# Allegro board T736_DEMO_DBOARD_V0-5-draft.brd (continued)
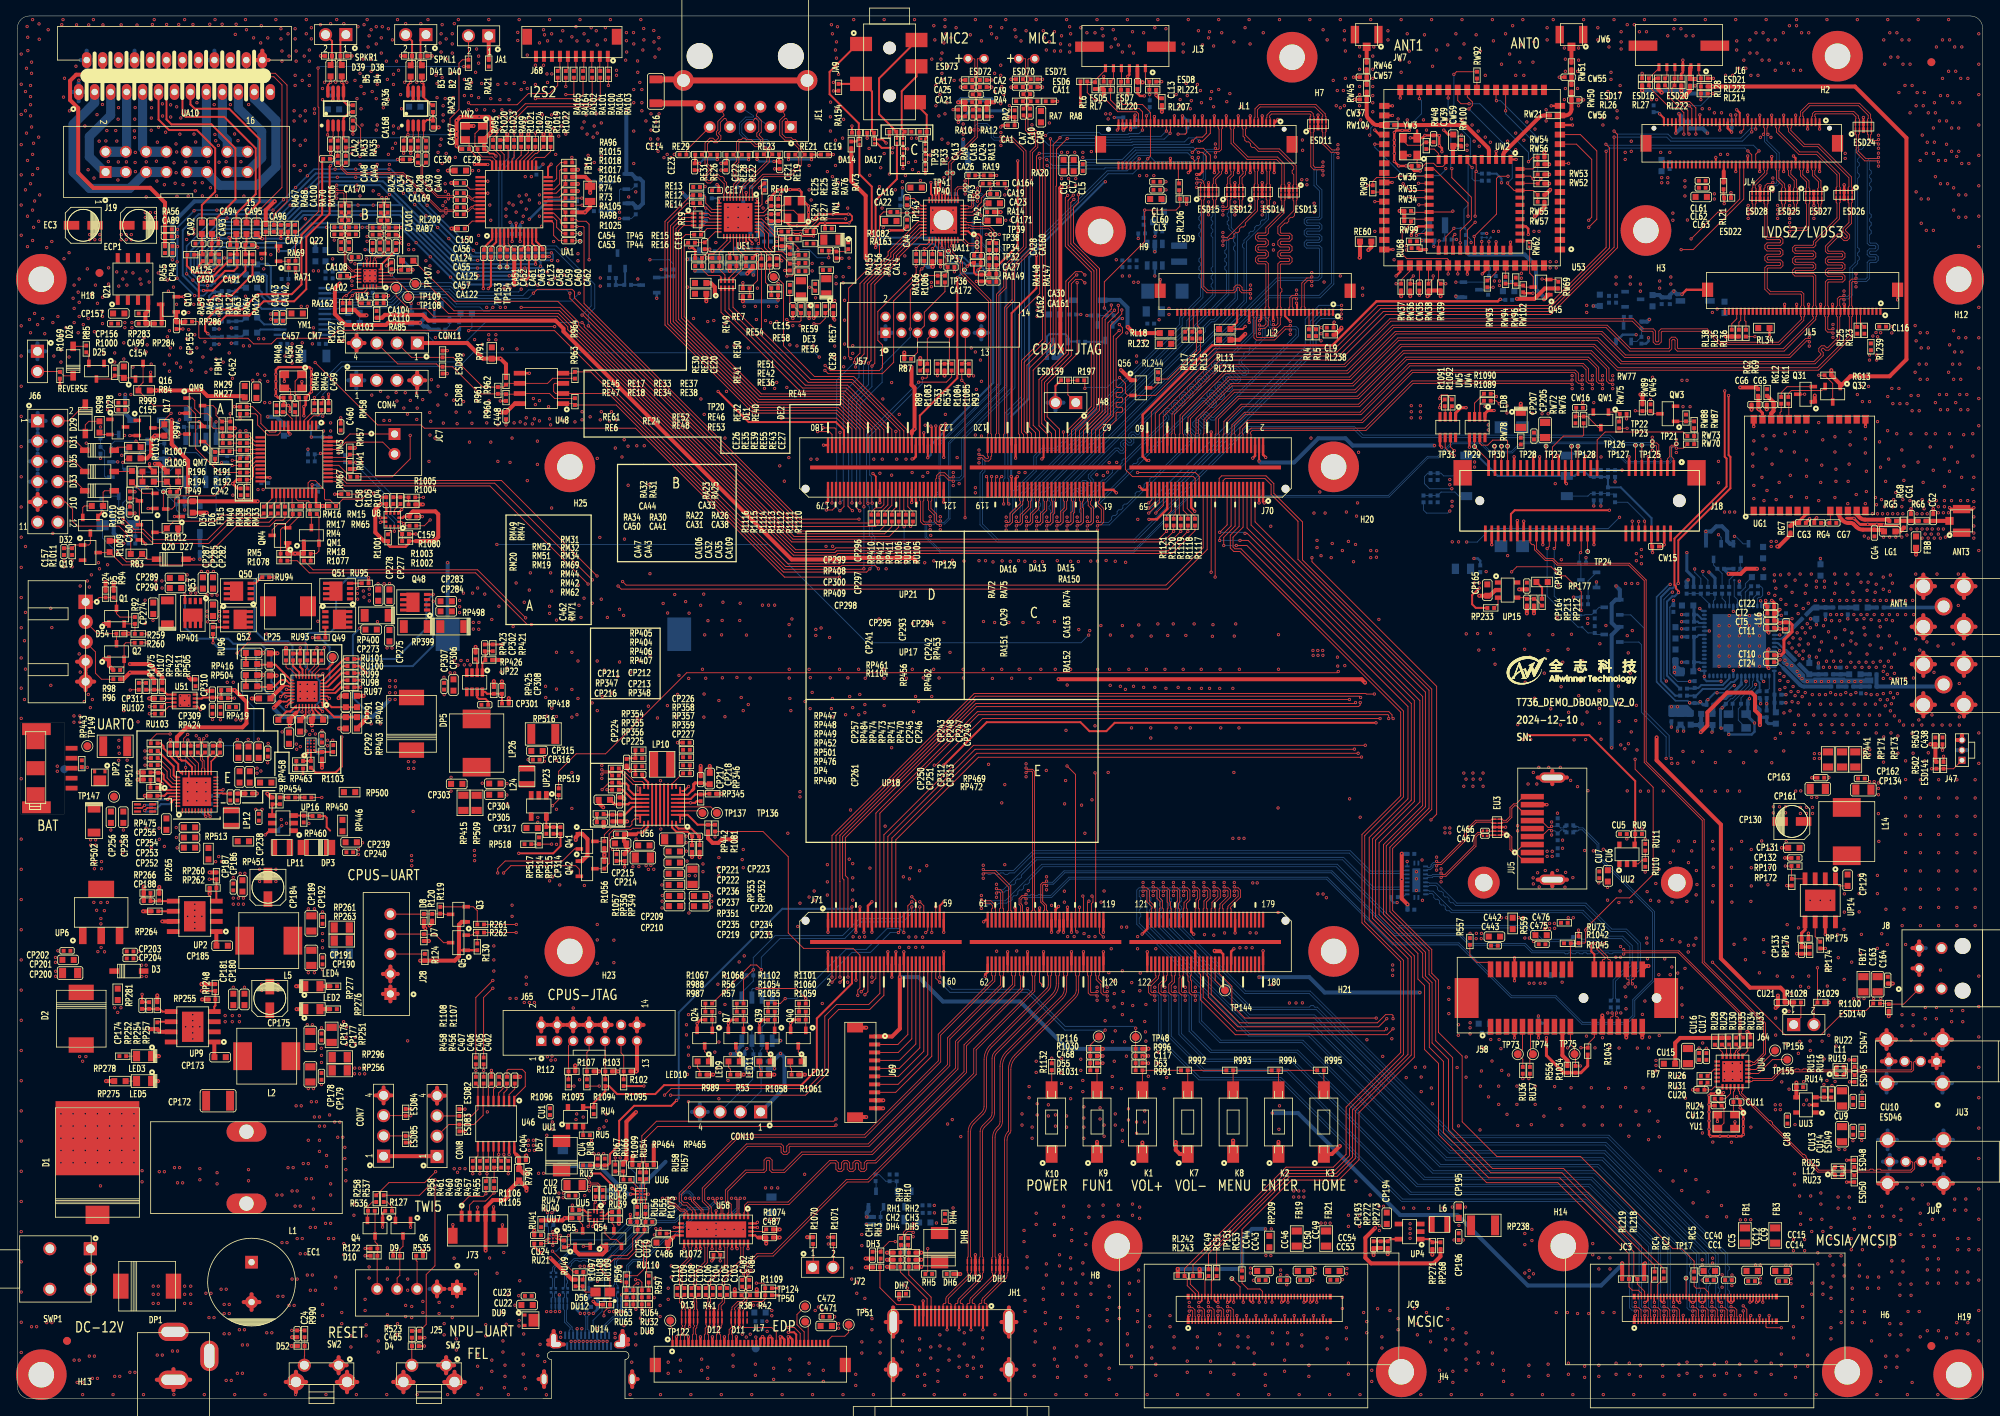
[diagram p0: board, top side]
## Routing (per net, layer and track width the routed paths; a pad name or vN(x,y) marks a point on that pad's centre or on a via; arc(x,y) is an arc through that point) (continued)
MICIN2P-AC107: length 4
  TOP w0.102: UA3.11 42.32,141.54 42.22,141.44 41.95,141.44 41.16,142.24 41.16,143.7 CA43.2
MICIN2P-MIC: length 8.5
  TOP w0.102: CA18.2 120,161.86 120,162.1 RA10.1 120,162.86 120,163.15 CA21.2 120,163.8 120,164.01 CA17.1 119.7,164.39 119.96,164.65 119.96,164.94 ESD73.2 119.95,165.6 119.95,167.84 119.85,167.94 MIC2.1
MICIN3N: length 136
  TOP w0.102: v1(120.47,117.83) 120.57,117.93 120.83,117.93 121.25,117.51 121.68,117.51 121.96,117.79 121.96,118.06 122.05,118.16 J70.118 122.05,120.87 121.96,120.96 121.96,137.68 118.41,141.22 118.41,141.48 ; 118.41,141.48 118.41,142.44 117.18,143.68 117.18,144.09 117.43,144.34 UA11.39 ; 118.41,141.48 TP36.1 ; J18.7 205.11,117.79 205.33,118.01 205.33,119.41 205.26,119.48 204.9,119.48 v1(204.82,119.41)
  BOTTOM w0.102: v1(204.82,119.41) 204.69,119.53 200.33,119.53 199.39,120.47 168.45,120.47 167.39,121.54 154.18,121.54 139.95,107.31 122.81,107.31 120.6,109.52 120.6,116.03 120.9,116.33 120.9,117.84 120.8,117.94 120.58,117.94 v1(120.47,117.83)
MICIN3P: length 136
  TOP w0.102: v1(204.82,119.96) 205,119.79 205.38,119.79 205.63,119.54 205.63,118.06 205.91,117.79 J18.5 ; UA11.37 116.63,144.34 116.87,144.09 116.87,143.81 ; v1(120.47,118.36) 120.59,118.24 120.95,118.24 121.37,117.82 121.55,117.82 121.65,117.92 121.65,118.06 121.55,118.16 J70.120 121.55,120.87 121.65,120.96 121.65,137.56 118.11,141.1 118.11,142.32 116.87,143.55 116.87,143.81 ; 116.87,143.81 TP37.1
  BOTTOM w0.102: v1(120.47,118.36) 120.58,118.25 120.93,118.25 121.21,117.97 121.21,116.21 120.9,115.9 120.9,109.65 122.94,107.62 139.83,107.62 154.05,121.84 167.51,121.84 168.58,120.78 199.52,120.78 200.46,119.84 204.69,119.84 v1(204.82,119.96)
MICIN4N: length 45.5
  TOP w0.102: v1(117.25,114.99) 117.11,115.12 116.68,115.12 116.05,115.75 115.65,115.75 115.47,115.57 115.47,115.35 115.55,115.26 J70.123 ; UA11.4 119.13,147.13 119.18,147.08 119.45,147.08 119.59,146.94 119.93,146.94 119.94,146.93 121.82,146.93 122.35,146.41 122.35,146.05 v1(122.48,145.92) 122.35,145.8 122.35,145.13 CA160.1
  BOTTOM w0.102: v1(117.25,114.99) 117.37,115.11 118.12,115.11 118.57,115.56 118.57,120.29 124.97,126.7 124.97,142.62 122.35,145.24 122.35,145.8 v1(122.48,145.92)
MICIN4P: length 45
  TOP w0.102: v1(117.25,115.54) 117.12,115.42 116.8,115.42 116.17,116.05 115.52,116.05 115.16,115.7 115.16,115.37 115.05,115.26 J70.125 ; UA11.3 119.13,146.73 119.18,146.77 119.32,146.77 119.46,146.63 119.81,146.63 119.81,146.63 121.7,146.63 122.05,146.28 122.05,146.05 v1(121.92,145.92) 122.05,145.8 122.05,145.13 CA28.1
  BOTTOM w0.102: v1(121.92,145.92) 122.05,145.8 122.05,145.11 124.66,142.49 124.66,126.82 118.26,120.42 118.26,115.69 117.99,115.42 117.37,115.42 v1(117.25,115.54)
MPREF: length 2.3
  TOP w0.114: CA122.1 56.98,147.59 UA1.48
NCSI-D6: length 99.7
  TOP w0.114: J71.148 148.05,53.34 148.21,53.19 148.21,49.99 152.58,45.62 171.6,45.62 v1(172.34,46.35) ; JC3.69 216.26,10.95 v1(216.2,11)
  L4 w0.114: v1(216.2,11) 216.48,11 216.66,11.18 216.66,11.94 216.08,12.52 216.08,19.63 213.68,22.03 206.21,22.03 199.9,28.35 184.12,28.35 173.1,39.37 173.1,45.59 v1(172.34,46.35)
NCSI-D7: length 97.9
  TOP w0.114: JC3.71 216.65,11.18 v1(216.2,11.63) ; v1(171.53,46.35) 171.27,46.1 152.76,46.1 148.55,50.3 J71.150
  L4 w0.114: v1(216.2,11.63) 215.65,12.19 215.65,19.46 213.5,21.6 206.03,21.6 199.75,27.89 183.97,27.89 172.72,39.14 172.72,45.16 v1(171.53,46.35)
NPU-RX: length 79
  TOP w0.114: R537.2 50.39,25.49 v1(52.32,27.43) ; J71.22 106.55,51 v1(106.17,50.62)
  L3 w0.114: v1(106.17,50.62) 106.13,50.58 106.13,47.99 105.37,47.23 105.37,42.77 96.26,33.66 74.51,33.66 68.22,27.36 61.58,27.36 61.37,27.16 52.6,27.16 v1(52.32,27.43)
NPU-TX: length 79.8
  TOP w0.114: v1(105.72,51) 106.05,51.34 J71.20 ; v1(52.4,28.45) 51.03,27.08 46.54,27.08 R258.2
  L3 w0.114: v1(105.72,51) 105.72,48.85 104.75,47.88 104.75,42.63 96.46,34.34 74.71,34.34 68.08,27.71 53.14,27.71 v1(52.4,28.45)
NTC: length 2.7
  TOP w0.114: UP21.16 34.92,90.73 34.19,91.47 33.91,91.47 33.66,91.72 RP410.2
OUT-L: length 7.6
  BOTTOM w0.254: RT2.1 210.05,88.11 CT38.1 210.22,88.03 211.15,88.96 213.83,88.96 214.7,89.83 215.02,89.83 215.47,90.28 UT1.25
OUT-R: length 6.1
  BOTTOM w0.254: UT1.27 214.47,90.28 213.63,89.44 210.95,89.44 210.6,89.09 CT39.1 210.05,89 RT1.1
OVCJ: length 3.5
  TOP w0.114: UU4.1 212.61,39.09 212.23,38.71 CU20.2 211.35,39.22 RU31.2
OVP-INT: length 0.9
  TOP w0.114: RP461.2 R1104.2
OVP-INT-1: length 2.4
  TOP w0.254: UP17.B1 RP456.2 36.76,79.92 RP461.1
OWA-OUT: length 5.7
  TOP w0.114: R1100.2 234.36,49.53 ESD140.2 236.3,49.45 J8.1
PANEL0-12V: length 10.3
  TOP w0.508: v1(139.12,134.32) 139.12,134.31 139.6,133.83 139.6,133.81 139.85,133.55 RL18.1
  BOTTOM w0.508: v1(139.12,134.32) 139.06,134.37 139.06,136.75 138.1,137.72 136.01,137.72 DL1.2
PCIE21-CLKREQN: length 200.1
  TOP w0.114: J71.53 v1(114.55,58.42) ; v1(59.56,52.41) 57.43,50.28 R1108.1 ; J58.B12 197.56,45.28 196.79,44.52 196.79,44.06 R1043.1 v1(195.88,43.99)
  L3 w0.114: v1(59.56,52.41) 88.86,52.41 91.65,55.2 95.41,55.2 100.44,60.23 112.74,60.23 v1(114.55,58.42) 114.93,58.05 116.6,58.05 117.14,58.59 127.68,58.59 130.15,61.06 156.3,61.06 157.24,61.99 166.36,61.99 168.69,59.65 189.24,59.65 190.07,60.48 193.07,60.48 193.93,59.61 207.65,59.61 210.03,57.23 v1(210.03,56.85)
  L4 w0.114: v1(195.88,43.99) 196.32,44.42 206.4,44.42 210.26,48.29 210.26,56.62 v1(210.03,56.85)
PCIE21-PERSTN: length 177.8
  TOP w0.114: v1(202.67,80.14) 202.67,78.89 204.93,76.63 204.93,65.71 201.98,62.76 200.3,62.76 196.47,58.93 v1(196.47,58.72) 196.47,57.22 196.35,57.11 R1045.1 195.54,57.07 R1042.1 194.56,57.02 J58.A11 ; v1(212.36,54.7) 221.46,45.59 225.93,45.59 228.98,48.64 231.6,48.64 R1100.1 ; v1(112.05,62.91) 112.55,62.41 J71.45
  L3 w0.114: v1(212.36,54.7) 205.7,54.7 201.68,58.72 v1(196.47,58.72) ; v1(112.05,62.91) 116.48,67.34 154.36,67.34 157.48,70.46 170.05,70.46 180.11,80.52 201.93,80.52 202.31,80.14 v1(202.67,80.14)
PCIE21-RDN: length 37.8
  TOP w0.102: v1(202.34,51.99) 202.21,52.11 202.21,52.46 202.31,52.56 202.45,52.56 202.55,52.66 J58.A17
  BOTTOM w0.102: U59.16 176.79,64.71 176.89,64.62 177.83,64.62 180.34,62.1 196.51,62.1 199.76,58.85 201.6,58.85 203.33,57.12 203.33,53.85 202.21,52.73 202.21,52.11 v1(202.34,51.99)
PCIE21-RDP: length 37.8
  TOP w0.102: v1(201.78,51.99) 201.9,52.11 201.9,52.46 201.8,52.56 201.66,52.56 201.56,52.66 J58.A16
  BOTTOM w0.102: U59.17 176.79,64.21 176.89,64.31 177.7,64.31 177.91,64.1 177.91,63.81 178.13,63.59 178.42,63.59 178.63,63.38 178.63,63.09 178.85,62.88 179.14,62.88 179.35,62.66 179.35,62.37 179.57,62.16 179.85,62.16 180.21,61.8 196.38,61.8 199.63,58.55 201.47,58.55 203.02,57 203.02,53.97 201.9,52.86 201.9,52.12 v1(201.78,51.99)
PCIE21-REFCLKN: length 84
  TOP w0.102: v1(120.77,62.53) 120.9,62.41 121.97,62.41 122.46,61.93 122.46,61.48 122.55,61.39 J71.65
  BOTTOM w0.102: R1036.1 194.62,57.58 191.03,57.58 189.31,59.31 173.02,59.31 165.35,66.98 128.35,66.98 123.77,62.41 120.9,62.41 v1(120.77,62.53)
PCIE21-REFCLKP: length 84.5
  TOP w0.102: J71.63 122.05,61.39 122.15,61.48 122.15,61.8 121.85,62.1 120.9,62.1 v1(120.77,61.98)
  BOTTOM w0.102: v1(120.77,61.98) 120.9,62.1 121.22,62.1 121.42,61.9 121.73,61.9 121.93,62.1 122.23,62.1 122.43,61.9 122.74,61.9 122.94,62.1 123.9,62.1 124.12,62.32 124.4,62.32 124.62,62.53 124.62,62.82 124.83,63.04 125.12,63.04 125.34,63.25 125.34,63.54 125.55,63.76 125.84,63.76 126.06,63.97 126.06,64.26 126.27,64.47 126.56,64.47 126.77,64.69 126.77,64.98 128.47,66.67 165.23,66.67 172.9,59 189.18,59 190.91,57.28 194.62,57.28 R1035.1
PCIE21-TDN: length 36.6
  BOTTOM w0.102: C447.1 200.21,50.18 200.21,52.33 202.31,54.43 202.31,56.77 201.12,57.96 199.39,57.96 196.14,61.21 179.76,61.21 177.35,63.62 176.87,63.62 176.77,63.71 U59.18
PCIE21-TDP: length 36.6
  BOTTOM w0.102: U59.19 176.78,63.21 176.87,63.31 177.23,63.31 177.44,63.1 177.44,62.81 177.66,62.59 177.95,62.59 178.16,62.38 178.16,62.09 178.38,61.87 178.66,61.87 178.88,61.66 178.88,61.37 179.1,61.16 179.38,61.16 179.63,60.91 196.01,60.91 199.26,57.66 200.99,57.66 202.01,56.64 202.01,54.56 199.9,52.46 199.9,50.18 C446.1
PCIE21-WAKEN: length 202.7
  TOP w0.114: R1107.1 58.41,50.28 v1(59.56,51.44) ; v1(113.79,58.42) 114.05,58.68 J71.51 ; v1(195.8,41.7) R1034.1 195.2,43.05 TP75.1 195.07,43.92 194.56,44.43 J58.B11
  L3 w0.114: v1(209.35,56.82) 209.35,57.38 207.47,59.26 193.68,59.26 192.89,60.05 190.25,60.05 189.41,59.21 168.43,59.21 166,61.65 157.38,61.65 156.44,60.71 130.29,60.71 127.82,58.25 117.4,58.25 116.86,57.7 114.51,57.7 v1(113.79,58.42) 112.95,59.26 100.58,59.26 93.98,52.65 91.41,52.65 90.2,51.44 v1(59.56,51.44)
  L4 w0.114: v1(195.8,41.7) 195.28,42.22 195.28,44.25 195.81,44.78 206.15,44.78 209.91,48.54 209.91,56.26 v1(209.35,56.82)
PCIE-SCK: length 5.6
  TOP w0.114: RU36.2 188.59,42.55 TP73.1 188.56,43.78 J58.B5
PCIE-SDA: length 5.3
  TOP w0.114: J58.B6 189.56,43.49 TP74.1 189.48,42.8 RU37.2
PCMCLK: length 8
  TOP w0.114: UW4.7 183.21,119.74 183.44,119.51 184.2,119.51 184.84,120.14 186.56,120.14 186.69,120.02 TP28.1 186.69,116.66 J18.45
PCMDI: length 12
  TOP w0.114: v1(185.93,119.38) 185.91,119.36 J18.47 ; UW5.6 178.87,119.17 179.86,118.19 v1(180.01,118.19)
  L3 w0.114: v1(180.01,118.19) 184.73,118.19 v1(185.93,119.38)
PCMDOUT: length 9.9
  TOP w0.114: v1(185.04,119.38) 185.11,119.31 J18.49 ; UW5.7 179.52,119.31 v1(180.01,118.82)
  L3 w0.114: v1(180.01,118.82) 184.48,118.82 v1(185.04,119.38)
PCMSYNC: length 4.6
  TOP w0.114: UW4.6 182.55,120.46 TP31.1 184.31,117.57 J18.51
PD_I2C_SCL: length 7.3
  TOP w0.114: U56.25 77.3,72.67 76.99,72.35 76.99,71.96 76.71,71.68 74.52,71.68 73.53,70.69 R1056.1 73.53,69.85 Q41.3
PD_I2C_SCL2: length 3.1
  TOP w0.114: U56.3 85.56,73.67 TP137.1
PD_I2C_SDA: length 10.8
  TOP w0.114: U56.26 78.52,71.79 78.22,71.49 77.04,71.49 76.86,71.31 74.68,71.31 74.13,70.76 74.13,67.1 R1057.1 73.45,66.42 Q42.3
PD_I2C_SDA2: length 5.2
  TOP w0.114: TP136.1 86.86,74.17 U56.4
PD_IRQ: length 5.1
  TOP w0.254: R1081.2 RP442.1 85.21,71.94 83.98,73.17 U56.2
PD_LDO_1V5: length 5
  TOP w0.254: 84.53,76.23 83.98,75.67 U56.7
  TOP w0.381: 84.53,76.23 84.73,76.43 84.73,77 84.91,77.17 CP217.1 86.01,77.17 86.17,77.01 CP218.1
PD_LDO_3V3: length 11.8
  TOP w0.254: U56.27 79.02,71.69 78.27,70.94 77.71,70.94 77.51,70.74
  TOP w0.508: R1056.2 v1(73.53,68.15) R1057.2 ; RP349.2 76.07,68.33 v1(76.58,68.83) 76.28,69.14 CP214.1 75.99,69.88 CP215.1 77.51,70.74
  L3 w0.508: v1(73.53,68.15) 75.9,68.15 v1(76.58,68.83)
PD_LDO_5V: length 4.3
  TOP w0.254: 76.7,74.67 U56.21
  TOP w0.305: 76.7,74.67 76.53,74.51 CP212.1 74.8,74.51 CP211.1
PD_NTC: length 16.3
  TOP w0.254: v1(76.07,66.61) RP349.1 RP350.2 ; v1(84.09,76.73) 83.53,76.17 U56.8
  L3 w0.254: v1(84.09,76.73) 78.75,71.4 78.75,69.29 v1(76.07,66.61)
PD_VBUS: length 9.4
  TOP w0.508: RP352.2 v1(85.47,67.86)
  L3 w0.381: v1(85.47,67.86) 85.98,67.86 86.59,67.25 86.59,64.73 84.12,62.27 v1(84.12,60.87)
  vias: v1(63.5,49.66) v1(63.75,52.83) v1(63.75,51.94) v1(64.01,32.38) v1(64.01,31.75) v1(64.14,49.66) v1(64.14,31.11) v1(64.64,32.38) v1(64.64,31.75) v1(64.77,49.66) v1(64.77,31.11)
PG10: length 164.5
  TOP w0.114: J70.82 v1(131.05,121.16) ; R1104.1 v1(35.79,78.37)
  L3 w0.114: v1(133.73,70.87) 97.82,70.87 86.77,59.82 81.84,59.82 75.11,66.55 63.6,66.55 60.21,69.94 49.34,69.94 42.96,76.31 38.7,76.31 36.64,78.37 v1(35.79,78.37)
  L4 w0.114: v1(133.73,70.87) 133.73,107.97 134.45,108.69 134.45,117.76 v1(131.05,121.16)
PHYRSTB: length 46.4
  TOP w0.254: J70.172 103.55,121.39 102.54,122.4 91.62,122.4 v1(87.78,126.24)
  L4 w0.254: v1(87.78,126.24) 87.78,135.76 88.27,136.25 88.27,148.36 86.16,150.47 v1(86.16,151.92)
PMU-PWRON: length 174.3
  TOP w0.114: v1(19.14,83.31) 17.42,83.31 16.72,82.61 RP447.2 ; R1132.1 v1(129.58,42.67) ; v1(131.5,79.3) 132.55,78.24 J71.105 132.55,58.68 v1(132.74,58.5)
  L3 w0.114: v1(131.37,83.77) 72.9,83.77 67.66,78.53 67.66,78.33 63.48,74.15 61.58,74.15 61.56,74.14 61.22,74.14 61.21,74.15 60.09,74.15 59.18,75.06 50.8,75.06 42.51,83.34 40.47,83.34 40.18,83.06 37.68,83.06 37.46,82.84 32.86,82.84 31.11,84.58 20.7,84.58 19.43,83.31 v1(19.14,83.31)
  L4 w0.114: v1(129.58,42.67) 133.85,46.94 136.53,46.94 137.95,48.36 137.95,53.29 v1(132.74,58.5) ; v1(131.5,79.3) 131.5,83.64 v1(131.37,83.77)
PWM-CH4: length 4.4
  TOP w0.114: R197.2 132.79,127.64 ESD139.2 131.6,125.83 J48.1
REF12: length 2.4
  TOP w0.114: UA1.40 56.71,151.59 CA56.1
REGOUT:
  vias: v1(92.53,145.24)
REVERSE-DET: length 4.7
  TOP w0.114: D26.2 5.83,128.2 R1069.2 5.29,128.74 J66.2
RF-IN: length 4.8
  TOP w0.508: UG1.11 230.42,110.82 230.78,110.46 arc(231.11,110.25) 231.49,110.17 234.36,110.17 RG5.1
RGMII0-CLKIN-125M: length 39.5
  TOP w0.114: J70.146 v1(110.05,121.23) ; v1(103.76,147.88) 100.46,147.88 CE15.2 98.76,146.43 96.72,146.43 RE7.1
  L4 w0.114: v1(103.76,147.88) 103.76,142.24 103.02,141.5 103.02,130.45 104.85,128.63 104.85,126.44 v1(110.05,121.23)
RGMII0-MDC: length 48.7
  TOP w0.114: J70.168 104.55,121.53 102.55,123.53 92.17,123.53 81.13,134.56 81.13,147.55 84.43,150.85 RE12.1
RGMII0-MDIO: length 47.9
  TOP w0.114: RE14.1 83.92,149.83 81.48,147.39 81.48,134.71 92.31,123.88 102.69,123.88 105.05,121.52 J70.166
RGMII0-RXCK: length 33.7
  TOP w0.114: CE20.2 95.1,142.04 RE20.1 94.23,141.1 TP20.1 95.09,140.59 95.98,139.7 95.98,131.99 99.85,128.12 104.78,128.12 111.55,121.34 J70.140
RGMII0-RXCTL: length 33
  TOP w0.114: J70.142 111.05,121.3 104.62,127.74 99.39,127.74 93.22,133.91 RE30.1
RGMII0-RXD0: length 31.5
  TOP w0.114: RE24.4 89.65,136.79 99.06,127.38 104.49,127.38 110.55,121.32 J70.144
RGMII0-RXD1: length 31.2
  TOP w0.114: J70.148 109.55,121.47 104,127.03 98.71,127.03 89.15,136.58 RE24.3
RGMII0-RXD2: length 31.3
  TOP w0.114: RE24.2 88.65,136.38 98.36,126.67 103.85,126.67 109.05,121.47 J70.150
RGMII0-RXD3: length 31.4
  TOP w0.114: RE24.1 88.15,136.17 98.03,126.29 103.7,126.29 108.55,121.43 J70.152
RGMII0-TXCK: length 41.9
  TOP w0.114: RE16.1 83.92,144.88 83.53,144.5 83.53,135.6 93.2,125.93 103.55,125.93 108.05,121.43 J70.154
RGMII0-TXCTL: length 43.8
  TOP w0.114: J70.156 107.55,121.44 103.41,125.59 93.06,125.59 83.19,135.46 83.19,145.37 83.72,145.9 RE15.1
RGMII0-TXD0: length 45.2
  TOP w0.114: J70.158 107.05,121.46 103.26,125.25 92.88,125.25 82.85,135.28 82.85,146.42 83.48,147.05 RE9.4
RGMII0-TXD1: length 45.8
  TOP w0.114: J70.160 106.55,121.47 103.12,124.9 92.73,124.9 82.51,135.13 82.51,146.64 83.42,147.55 RE9.3
RGMII0-TXD2: length 46.4
  TOP w0.114: RE9.2 83.39,148.05 82.16,146.82 82.16,134.99 92.59,124.56 102.98,124.56 106.05,121.49 J70.162
RGMII0-TXD3: length 46.9
  TOP w0.114: RE9.1 83.38,148.55 81.82,147 81.82,134.85 92.45,124.22 102.84,124.22 105.55,121.5 J70.164
RIGHTTURNDET: length 3.9
  TOP w0.114: D35.2 7.17,117.47 J10.6
RSET: length 2.6
  TOP w0.114: RE10.2 93.29,151.16 93.29,149.7 93.04,149.46 UE1.39
RST-AC107: length 154.3
  TOP w0.114: RL209.1 49.66,142.62 54.74,137.54 67.7,137.54 70.33,134.92 70.33,134.55 97.16,107.72 142.98,107.72 v1(143.97,108.71) R1121.2 ; R1092.1 179.14,125.81 178.38,125.81 178.18,125.6 v1(178.18,125.35)
  L3 w0.114: v1(178.18,125.35) 177.62,124.79 177.62,123.65 165.83,111.86 149,111.86 147.94,110.79 145.67,110.79 143.97,109.09 v1(143.97,108.71)
RST-CS4361: length 119.9
  TOP w0.114: v1(111.09,109.28) 111.3,109.5 R1111.2 ; v1(56.52,162.43) 56.77,162.18 62.61,162.18 64.01,163.58 66.67,163.58 67.69,164.59 RA165.1 ; v1(56.54,133.86) 67.3,133.86 96.51,104.64 103.02,104.64 103.16,104.78 v1(111.25,104.78)
  L4 w0.114: v1(56.52,162.43) 52.2,158.12 52.2,140.61 56.54,136.27 v1(56.54,133.86)
  BOTTOM w0.114: RL237.1 56.95,134.26 v1(56.54,133.86) ; v1(111.25,104.78) 111.09,104.94 v1(111.09,109.28)
RSTN-T: length 3.8
  BOTTOM w0.114: UT1.49 211.97,99.61 210.89,100.69 RT17.1 CT40.2 RT14.1
RTC-BAT: length 1.4
  BOTTOM w0.508: R1032.2 D46.1
RTC-INT: length 6.2
  BOTTOM w0.114: R158.2 28.07,118.15 R1062.1 24.34,118.15 23.62,118.87 U43.3
RTC-SCK: length 11.4
  BOTTOM w0.114: U43.6 23.62,117.37 22.43,118.57 20.71,118.57 R785.1 18.71,120.57 R470.1 17.79,120.57 17.19,119.97 Q23.3
RTC-SDA: length 14.8
  BOTTOM w0.114: Q9.3 17.23,114.35 17.7,113.88 R784.1 18.41,113.62 R465.1 19.94,111.38 20.45,110.87 21.29,110.87 21.79,110.36 24.1,110.36 24.89,111.15 U43.5
RTCLDO-BMU-ONBOARD: length 4.5
  TOP w0.203: UP18.34 19.3,76.67
  TOP w0.254: 19.3,76.67 18.33,77.65 18.33,78.19 18.07,78.44 CP261.2 17.61,78.49 RP501.2
RX1: length 18.7
  TOP w0.114: CON7.3 48.6,35.47 ESD84.2 v1(49.28,35.47) ; R457.1 60.3,30.11 v1(60.3,30.62) U46.13
  L3 w0.114: v1(49.28,35.47) 50.35,34.39 53.8,34.39 57.95,30.23 59.92,30.23 v1(60.3,30.62)
RX2: length 8.8
  TOP w0.114: CON8.3 55.29,35.43 ESD82.2 56.9,35.44 57.7,36.24 U46.8 57.7,39.23 R458.1
RX-1N: length 7.6
  L3 w0.112: v1(73.38,7.18) 73.49,7.3 73.49,8.34 74.84,9.69 74.84,10.77 v1(74.69,10.91)
  BOTTOM w0.112: RU43.1 74.82,13.18 74.82,12.72 74.69,12.59 EU2.1 EU2.10 v1(74.69,10.91) ; v1(73.38,7.18) JU2.B10
RX-1P: length 7.6
  L3 w0.112: v1(73.88,7.18) 73.76,7.3 73.76,8.23 75.1,9.58 75.1,10.77 v1(75.25,10.91)
  BOTTOM w0.112: v1(73.88,7.18) JU2.B11 ; RU45.1 75.06,13.19 75.06,12.7 75.19,12.57 EU2.2 EU2.9 75.19,10.97 v1(75.25,10.91)
RX-2N: length 5.9
  BOTTOM w0.112: JU2.A10 69.63,8.56 69.5,8.69 69.5,8.97 68.78,9.69 68.78,11.1 68.89,11.21 EU1.6 EU1.5 68.89,12.59 68.78,12.7 68.78,13.17 LU4.4
RX-2P: length 6
  BOTTOM w0.112: JU2.A11 69.13,8.56 69.26,8.69 69.26,8.87 68.54,9.59 68.54,11.06 68.39,11.21 EU1.7 EU1.4 68.39,12.57 68.54,12.72 68.54,13.15 LU4.3
RXC/PHYAD1: length 10.3
  TOP w0.114: UE1.27 90.9,144.69 91.4,144.18 93.18,144.18 94.23,143.13 RE20.2 94.23,142.88 93.73,142.37 93.73,139.91 RE46.2 RE53.1
RXCTL/PHYAD2: length 10.3
  TOP w0.114: UE1.26 90.5,144.58 91.24,143.84 92.89,143.84 93.22,143.51 RE30.2 93.11,142.89 92.71,142.49 92.71,140.14 RE52.2 RE48.1
RXD0/RXDLY: length 6.7
  TOP w0.114: UE1.25 90.1,144.15 RE37.2 RE38.1 91.14,141.83 91.12,141.83 89.82,140.53 89.82,140.51 89.65,140.34 RE24.5
RXD1/TXDLY: length 6
  TOP w0.114: UE1.24 89.7,143.37 RE33.2 RE34.1 90.09,141.42 89.15,140.48 RE24.6
RXD2/PLLOFF: length 6.4
  TOP w0.114: UE1.23 89.3,145.05 87.93,143.68 RE17.2 RE18.1 87.93,141.56 88.65,140.84 88.65,140.18 RE24.7
RXD3/PHYAD0: length 9.2
  TOP w0.114: RE24.8 88.15,140.6 87.99,140.77 86.56,140.77 85.77,141.56 RE47.1 RE45.2 86.3,143.51 87.25,143.51 88.9,145.16 UE1.22
S-AMP-MUTE: length 32.8
  TOP w0.114: v1(38.86,158.39) 38.86,158.52 38.9,158.56 UA4.1 ; UA2.1 v1(48.94,158.43) 48.39,157.88 RA24.2 ; v1(54.2,158.42) 54.2,160.45 55.32,161.57 55.32,167.39 55.75,167.81 RA5.1 56.52,170.81
  BOTTOM w0.114: v1(38.86,158.39) 39.22,158.04 48.54,158.04 v1(48.94,158.43) 48.95,158.42 v1(54.2,158.42)
S-IR-RX: length 202.8
  TOP w0.114: v1(239.82,78.95) R502.1 ESD141.2 242.55,78.95 J47.1 ; J71.12 v1(104.05,52.83) ; R1093.1 v1(72.9,39.17)
  L3 w0.114: v1(72.9,39.17) 74.08,40.36 78.71,40.36 80.97,42.62 96.85,42.62 102.08,47.85 102.08,48.74 103.5,50.16 103.5,52.28 v1(104.05,52.83) ; v1(104.22,67.61) 104.31,67.7 154.03,67.7 157.23,70.9 169.89,70.9 179.96,80.98 202.29,80.98 202.49,80.77 207.57,80.77 209.39,78.95 v1(239.82,78.95)
  L4 w0.114: v1(104.05,52.83) 104.05,67.45 v1(104.22,67.61)
S-TWI2-SCK: length 215.9
  TOP w0.114: J71.24 v1(107.05,52.83) ; R1099.1 v1(74.9,30.18)
  L3 w0.114: v1(107.05,52.83) 106.64,52.42 106.64,47.76 105.84,46.96 105.84,42.75 96.19,33.1 77.83,33.1 v1(74.9,30.18) ; v1(19.81,117.73) 23.18,117.73 24.96,119.51 39.24,119.51 v1(40.26,118.49) 40.26,117.74 42.04,115.96 60.51,115.96 63.75,112.72 92.32,112.72 96.14,116.54 107.56,116.54 108.05,116.04 v1(108.05,115.99)
  L4 w0.114: v1(107.05,52.83) 107.47,53.24 107.47,59.67 106.17,60.96 106.17,66.57 107.37,67.78 107.37,106.32 107.62,106.56 107.62,114.25 108.05,114.68 v1(108.05,115.99)
  BOTTOM w0.114: v1(19.81,117.73) 19.81,117.81 19.27,118.35 18.72,118.35 R469.1 R470.2 17.89,119.72 17.04,118.87 15.49,118.87 15.31,118.68 Q23.2 ; R1079.2 40.82,118.49 v1(40.26,118.49)
S-TWI2-SDA: length 320.8
  TOP w0.114: R1103.1 v1(38.14,75.35) ; R1080.2 50.99,109.41 v1(51.71,110.13) ; v1(67.03,18.49) 69.65,15.88 R1097.1 ; v1(107.05,52.2) 107.55,52.7 J71.26
  L3 w0.114: v1(107.95,97.73) v1(97.03,97.73) ; v1(96.08,114.99) 93.4,112.31 63.5,112.31 61.33,110.13 v1(51.71,110.13) 46.53,115.32 41.36,115.32 40.29,116.39 40.29,116.81 38.21,118.89 37.8,118.89 37.5,118.59 36.23,118.59 36.08,118.75 24.77,118.75 22.99,116.97 v1(19.81,116.97) ; v1(106.81,66.5) 101.8,66.5 92.58,57.28 78.87,57.28 73.66,62.48 66.29,62.48 59.52,69.25 48.17,69.25 42.08,75.35 v1(38.14,75.35) ; v1(107.05,52.2) 107.05,43.48 96.14,32.56 77.9,32.56 v1(75.51,30.18)
  L4 w0.114: v1(97.03,97.73) 97.1,97.8 97.1,111.46 96.19,112.37 96.19,114.88 v1(96.08,114.99) ; v1(107.95,97.73) 107.95,67.64 v1(106.81,66.5) 106.51,66.2 106.51,61.25 107.82,59.94 107.82,52.97 v1(107.05,52.2)
  BOTTOM w0.114: v1(75.51,30.18) 77.44,28.24 77.44,23.14 74.19,19.89 68.91,19.89 67.51,18.49 v1(67.03,18.49) ; R466.1 18.75,115.91 v1(19.81,116.97) ; R466.1 18.18,116.14 Q9.2 ; R466.1 R784.2
S-UART1-RX: length 7.2
  TOP w0.114: RM16.2 35.35,110.63 QM4.2 33.21,109.15 32.98,108.92 RM5.1 R1078.1
S-UART1-TX: length 6.8
  TOP w0.114: R1077.1 RM18.1 37.47,105.92 37.78,106.23 QM1.2 37.78,110.6 RM4.2
SBU1-DC: length 65.7
  TOP w0.114: v1(81.08,38.05) 81.91,38.88 98.95,38.88 101.15,41.08 101.15,47.94 102.62,49.4 106.66,49.4 108.05,50.8 J71.28 ; R596.1 77.67,15.41 78.44,16.18 78.44,19.43 v1(78.28,19.58)
  L4 w0.114: v1(81.08,38.05) 81.34,37.78 81.34,31.14 79.74,29.54 79.74,25.65 78.94,24.86 78.94,20.24 v1(78.28,19.58)
SBU1-DC-1: length 1
  TOP w0.114: RU63.1 76.31,14.55 R596.2
SBU2-DC: length 63.6
  TOP w0.114: v1(78.99,19.56) 78.82,19.38 78.82,15.69 R597.1 ; v1(81.84,38.04) 98.74,38.04 101.6,40.89 101.6,47.5 102.87,48.77 106.78,48.77 108.55,50.55 J71.30
  L4 w0.114: v1(81.84,38.04) 81.84,30.94 80.24,29.34 80.24,25.53 79.32,24.61 79.32,19.89 v1(78.99,19.56)
SBU2-DC-1: length 1
  TOP w0.114: R597.2 79.09,14.55 RU64.1
SDIN2: length 3.2
  TOP w0.114: R1019.2 65.09,156.08 64.89,156.08 63.98,155.17 UA1.27
SDIN3: length 3.9
  TOP w0.114: UA1.26 64.48,155.14 64.92,155.57 66.04,155.57 66.8,156.31 66.8,156.38 R1022.2
SI: length 2.5
  TOP w0.114: R1016.2 67.9,150.59 UA1.19
SIM-CLK: length 30.7
  TOP w0.114: J18.12 v1(203.11,109.95)
  L3 w0.114: v1(179.45,111.25) 189.36,111.25 191.26,109.35 202.44,109.35 203.04,109.95 v1(203.11,109.95)